# Altium PCB Graviton-RB1.PcbDoc (part 11 of 11)
Units mil, origin at the board's own origin, x right, y up, seen from the top; angles counter-clockwise.
Board outline 7874.02 x 7874.02 mil, 10 copper layers (Top Layer, Internal Plane 1, Signal Layer 1, Internal Plane 2, Signal Layer 2, Signal Layer 3, Internal Plane 3, Signal Layer 4, Internal Plane 4, Bottom Layer), stack 65.914 mil thick; 1299 components, 1517 nets, 7968 pads, 1791 vias.
Unrouted connection lines stored in the file: 4618.
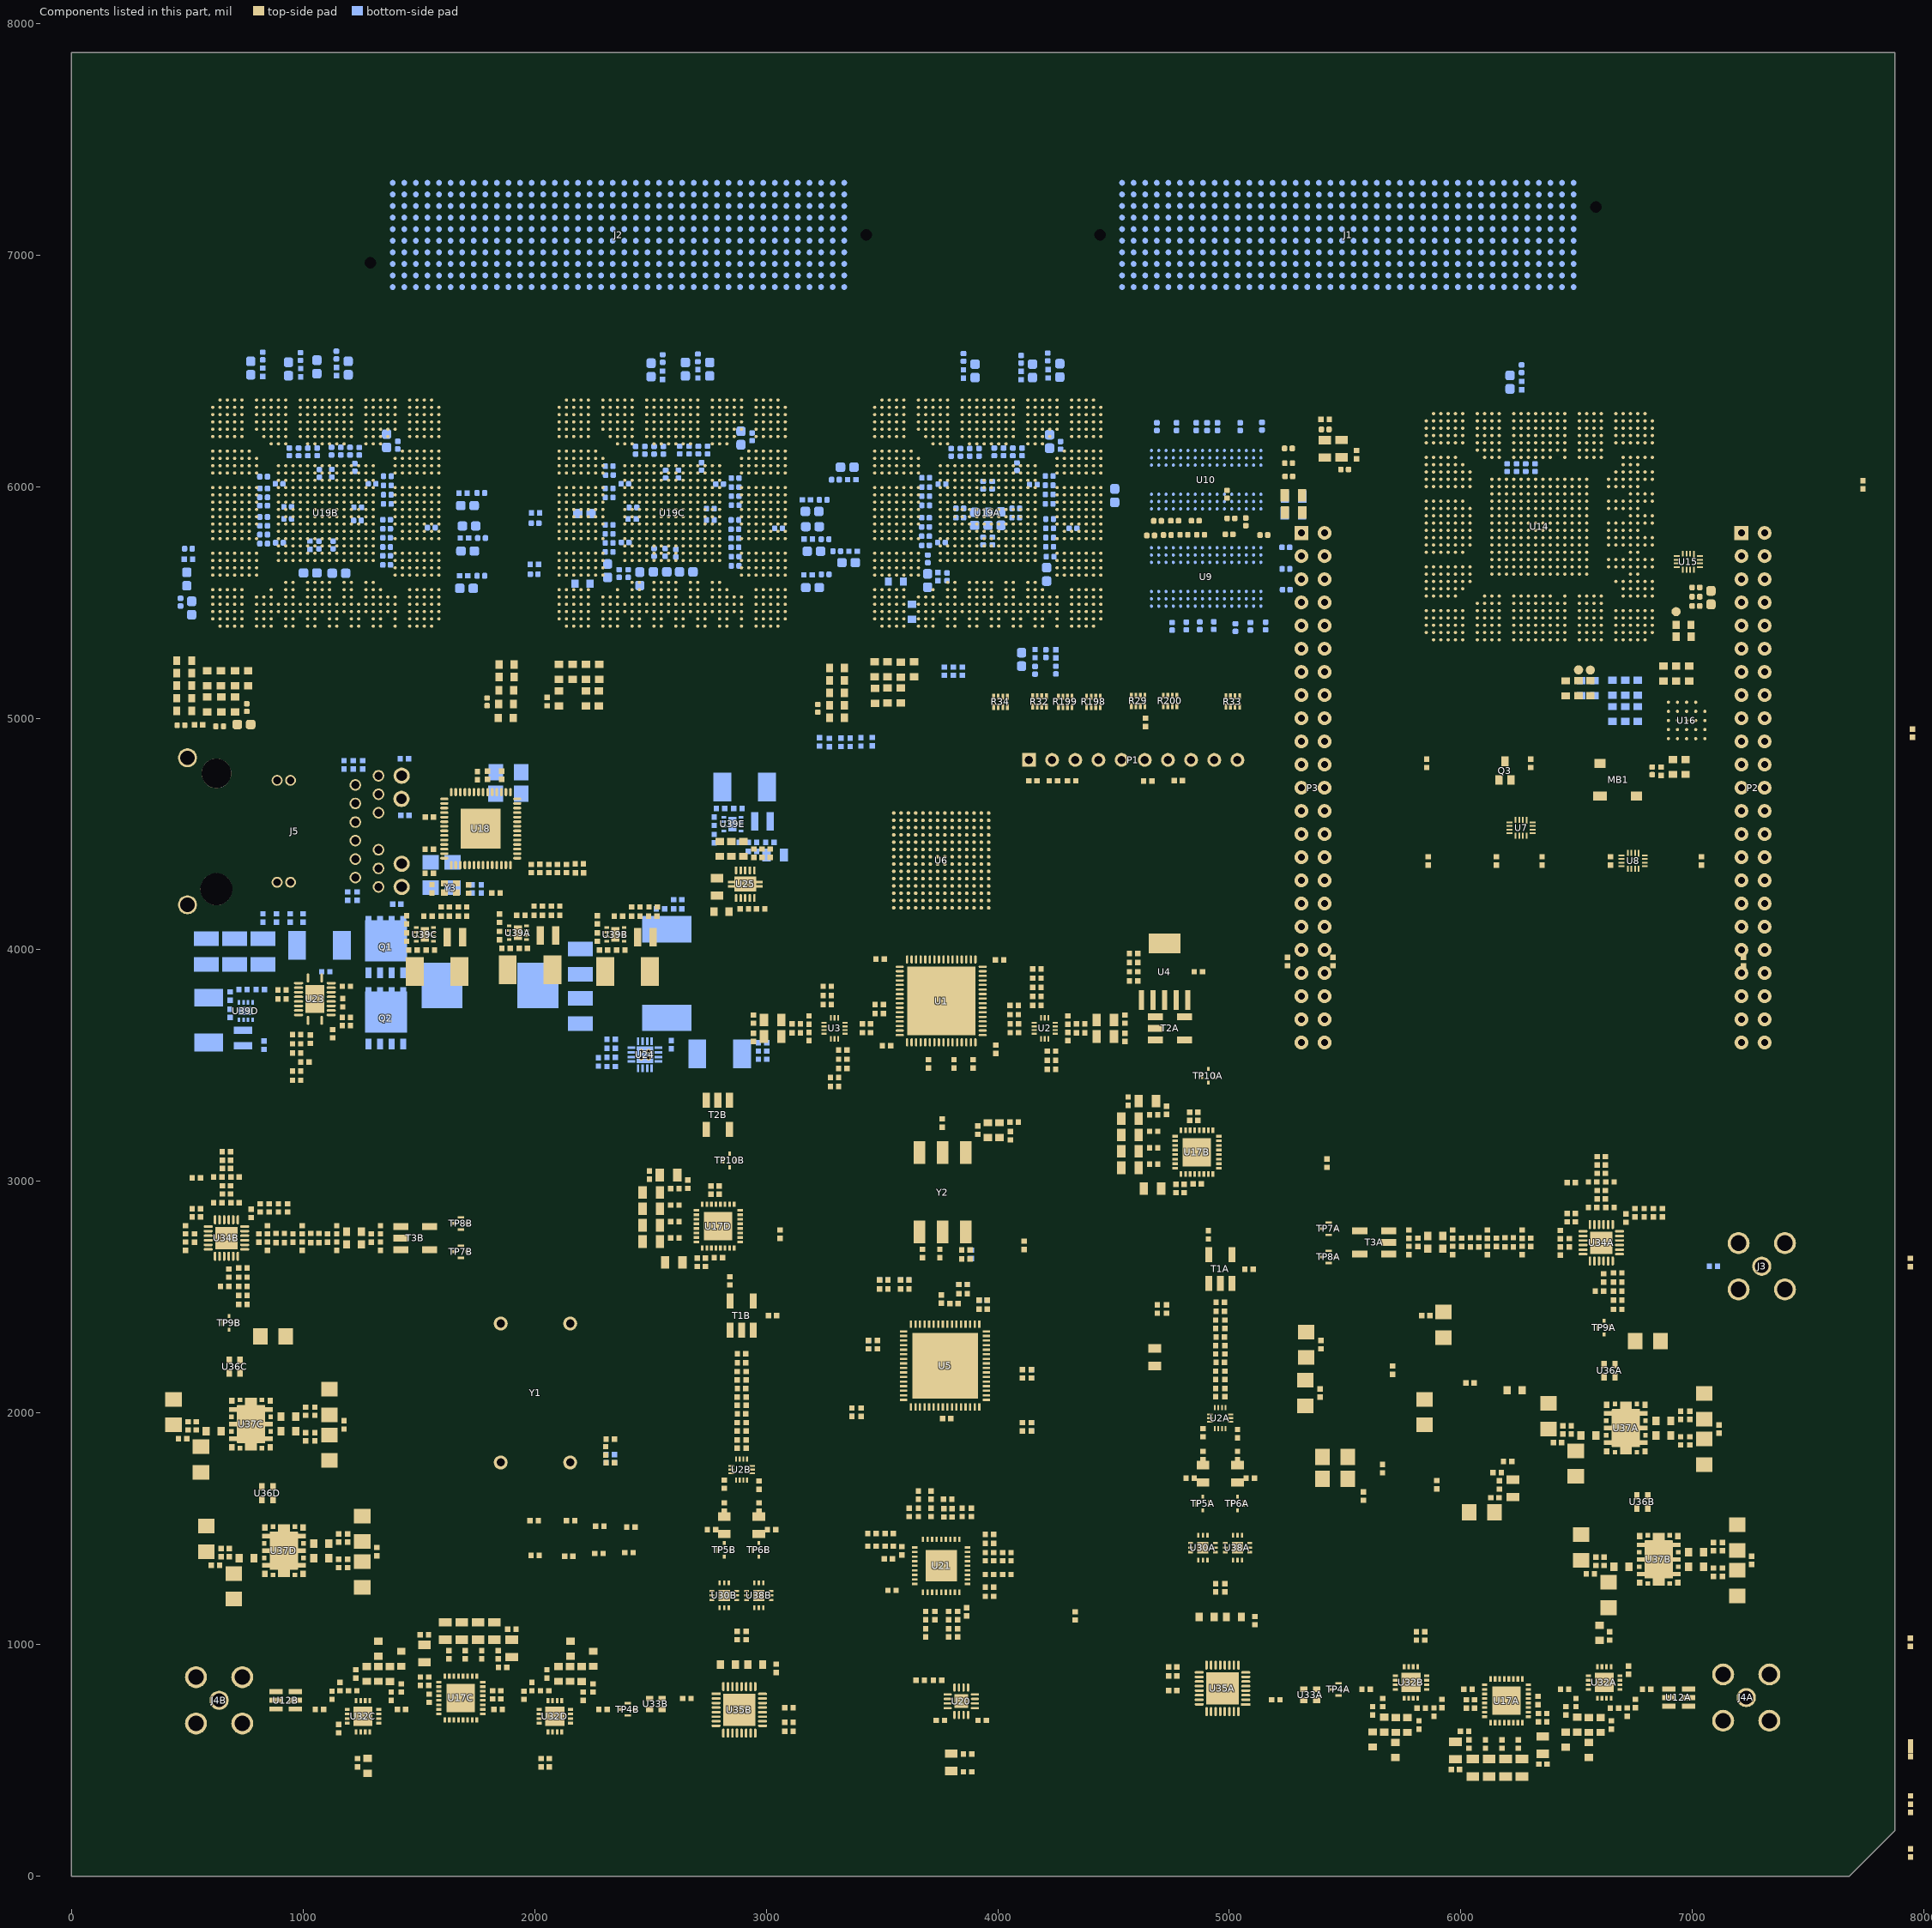
[diagram p19: the components of this part, seen from the top]

## Silkscreen, mask and mechanical layers (free items; w line width, h text height) (continued)
Bottom Solder:
  region: 0,0 7677.17,0 7775.59,98.43 7362.22,511.8 cw(c7086.61,787.4) 7086.61,397.64 787.4,397.64 cw(c787.4,787.4) 511.8,511.8
  region: 7874.02,7874.02 7874.02,196.85 7775.59,98.43 7362.22,511.8 ccw(c7086.61,787.4) 7476.38,787.4 7476.38,7086.61 ccw(c7086.61,7086.61) 7362.22,7362.22
  region: 7874.02,7874.02 7362.22,7362.22 ccw(c7086.61,7086.61) 7086.61,7476.38 787.4,7476.38 ccw(c787.4,7086.61) 511.8,7362.22 0,7874.02
  region: 0,7874.02 511.8,7362.22 ccw(c787.4,7086.61) 397.64,7086.61 397.64,787.4 ccw(c787.4,787.4) 511.8,511.8 0,0
Mechanical 1:
  lines w2.99: 35.43,12826.77 35.43,31374.02 22578.74,31374.02 22578.74,12826.77 35.43,12826.77
  lines w39.37: 393.7,1043.31 3342.52,1043.31 ; 393.7,3492.13 7476.38,3492.13 ; 393.7,4834.65 3102.36,4834.65 3106.3,4830.71 3106.3,3496.06 ; 3338.58,389.76 3338.58,1039.37 ; 4476.38,393.7 4476.38,1015.75 7480.32,1015.75
  text "DIGITAL COMPONENTS" at 173.23,13224.41 h120
  text "ROBBIE PLEASE PLACE THESE COMPONENTS" at 161.42,12944.88 h120
  text "DIGITAL" at 5629.92,3543.31 h60
  text "POWER" at 1771.65,3535.43 h60
  text "RF/ANALOG" at 5551.18,3381.89 h60
Mechanical 2:
  lines w10: 0,0 7677.17,0 7775.59,98.43 7874.02,196.85 7874.02,7874.02 0,7874.02 0,0 ; 7362.22,492.11 7362.22,492.11
Mechanical 16:
  drawing of 776 lines, arcs and shapes, not listed
  text "2" at 1818.54,8620.91 h70
  text "3" at 4563.54,8620.91 h70
  text "4" at 7314.55,8620.91 h70
  text "REV" at 10066.54,8405.91 h66.93
  text "DATE" at 10666.54,8405.91 h66.93
  text "DESC" at 11166.54,8405.91 h66.93
  text "ENG" at 13966.54,8405.91 h66.93
  text "1" at 10066.54,8205.91 h66.93
  text "*" at 10666.54,8205.91 h66.93
  text "INITIAL RELEASE" at 11166.54,8205.91 h66.93
  text "*" at 13966.54,8205.91 h66.93
  text "B" at 14606.3,7086.61 h70
  text "1" at -1255.13,6642.91 h70
  text "A" at -2208.46,5102.91 h70
  text "A" at 14591.54,5102.91 h70
  text "B" at -2208.46,2977.91 h70
  text "C" at -2208.46,852.91 h70
  text "C" at 14591.54,852.91 h70
  text "ENGINEER:" at 10066.54,-944.09 h45
  text "TITLE:" at 11566.54,-944.09 h45
  text "ALL DIMENSIONS ARE IN MM (INCHES)" at 7291.54,-1019.09 h47.24
  text "Brinton Engineering LLC" at 8716.54,-1019.09 h70
  text "*" at 10066.54,-1069.09 h70
  text "4 Avocet Drive 209" at 8716.54,-1119.09 h70
  text "TOLERANCES:" at 7726.54,-1184.09 h47.24
  text "Redwood City CA 94065" at 8716.54,-1219.09 h70
  text "*" at 11591.54,-1219.09 h86.61
  text "PCB DESIGNER:" at 10066.54,-1239.09 h45
  text "D" at -2208.46,-1267.09 h70
  text "D" at 14591.54,-1267.09 h70
  text "DECIMALS" at 7291.54,-1294.09 h47.24
  text "(858) 414 1421" at 8716.54,-1319.09 h70
  text "*" at 10066.54,-1369.09 h70
  text ".X     0.1" at 7291.54,-1419.09 h47.24
  text ".XX    0.05" at 7291.54,-1519.09 h47.24
  text "DATE:" at 10066.54,-1544.09 h45
  text "PART NO.:" at 11566.54,-1544.09 h45
  text "REV:" at 13666.54,-1544.09 h45
  text ".XXX   0.005" at 7291.54,-1619.09 h47.24
  text "*" at 10066.54,-1669.09 h66.93
  text "-" at 11566.54,-1669.09 h70
  text "1" at 13666.54,-1669.09 h70
  text "*UNLESS OTHERWISE NOTED" at 7266.54,-1844.09 h47.24
  text "FILE NAME:" at 10066.54,-1844.09 h45
  text "DWG NO:" at 11566.54,-1844.09 h45
  text "SCALE:" at 13666.54,-1844.09 h45
  text ".PCB_FILE_NAME_NO_PATH" at 10116.54,-1964.09 h70
  text "-" at 11566.54,-1969.09 h70
  text "1:1" at 13666.54,-1969.09 h70
  text "1" at -932.13,-2179.09 h70
  text "2" at 1818.54,-2179.09 h70
  text "3" at 4563.54,-2179.09 h70
  text "4" at 7314.55,-2179.09 h70
Drill Drawing:
  lines w4.92: 10620.87,4833.86 10670.87,4883.86 ; 10620.87,4933.86 10670.87,4983.86 ; 10670.87,4833.86 10720.87,4883.86 ; 10670.87,4933.86 10720.87,4983.86 ; 10720.87,4833.86 10770.87,4883.86 ; 10720.87,4933.86 10770.87,4983.86 ; 10770.87,4833.86 10820.87,4883.86 ; 10770.87,4933.86 10820.87,4983.86 ; 10820.87,4833.86 10870.87,4883.86 ; 10820.87,4933.86 10870.87,4983.86 ; 10870.87,4833.86 10920.87,4883.86 ; 10870.87,4933.86 10920.87,4983.86 ; 10920.87,4833.86 10970.87,4883.86 ; 10920.87,4933.86 10970.87,4983.86 ; 10970.87,4833.86 11020.87,4883.86 ; 10970.87,4933.86 11020.87,4983.86 ; 11020.87,4833.86 11070.87,4883.86 ; 11020.87,4933.86 11070.87,4983.86 ; 11070.87,4833.86 11120.87,4883.86 ; 11070.87,4933.86 11120.87,4983.86
  lines w10: 9470.87,4558.86 9470.87,5433.86 12170.87,5433.86 12170.87,4558.86 ; 9470.87,4758.86 12170.87,4758.86 ; 9470.87,4858.86 10570.87,4858.86 ; 9470.87,4958.86 10570.87,4958.86 ; 9470.87,5058.86 12170.87,5058.86 ; 9470.87,5158.86 12170.87,5158.86 ; 9470.87,5283.86 12170.87,5283.86 ; 9970.87,4558.86 9970.87,5433.86 ; 10630.87,5218.86 10640.87,5218.86 ; 10660.87,5198.86 10670.87,5198.86 ; 10670.87,4888.86 11070.87,4888.86 ; 10670.87,4898.86 11070.87,4898.86 ; 10670.87,4908.86 11070.87,4908.86 ; 10670.87,4913.86 11070.87,4913.86 ; 10670.87,4923.86 11070.87,4923.86 ; 10670.87,4933.86 10670.87,4883.86 ; 10690.87,5218.86 10700.87,5218.86 ; 10720.87,5198.86 10730.87,5198.86 ; 10750.87,5218.86 10760.87,5218.86 ; 10780.87,5198.86 10790.87,5198.86 ; 10810.87,5218.86 10820.87,5218.86 ; 10840.87,5198.86 10850.87,5198.86 ; 10870.87,5218.86 10880.87,5218.86 ; 10900.87,5198.86 10910.87,5198.86 ; 10930.87,5218.86 10940.87,5218.86 ; 10960.87,5198.86 10970.87,5198.86 ; 10990.87,5218.86 11000.87,5218.86 ; 11020.87,5198.86 11030.87,5198.86 ; 11050.87,5218.86 11060.87,5218.86 ; 11070.87,4933.86 11070.87,4883.86 ; 11080.87,5198.86 11090.87,5198.86 ; 11110.87,5218.86 11120.87,5218.86 ; 11220.87,4558.86 11220.87,5433.86 ; 11220.87,4858.86 12170.87,4858.86 ; 11220.87,4958.86 12170.87,4958.86 ; 10670.87,4883.86 10620.87,4883.86 10620.87,4833.86 11120.87,4833.86 11120.87,4883.86 11070.87,4883.86 ; 10670.87,4883.86 11070.87,4883.86 ; 10620.87,4933.86 11120.87,4933.86 11120.87,4983.86 10620.87,4983.86 10620.87,4933.86 ; 10620.87,5083.86 10620.87,5133.86 11120.87,5133.86 11120.87,5083.86 10620.87,5083.86 ; 10620.87,5183.86 10620.87,5233.86 11120.87,5233.86 11120.87,5183.86 10620.87,5183.86
  text "1. LEAD-FREE HASL" at 9529.63,6032.38 h45
  text "2. SOLDERMASK: GREEN" at 9529.63,5932.38 h45
  text "3. SILKSCREEN: WHITE" at 9520.87,5846.46 h45
  text "4. NO BOTTOM SOLDERMASK" at 9520.87,5746.46 h45
  text "LAYER" at 9520.87,5333.86 h45
  text "FINISH" at 11270.87,5333.86 h45
  text "SILK SCREEN" at 10020.87,5183.86 h45
  text "SOLDER MASK" at 10020.87,5083.86 h45
  text "1 (TOP) S" at 9520.87,4983.86 h45
  text "COPPER (1oz.)" at 10020.87,4983.86 h45
  text "0.036 (0.0014)" at 11245.87,4983.86 h45
  text "PHENOLIC (FR-4)" at 10020.87,4883.86 h45
  text "1.57 (0.062)" at 11245.87,4883.86 h45
  text "2 (BOT) S" at 9520.87,4783.86 h45
  text "COPPER (1oz.)" at 10020.87,4783.86 h45
  text "0.036 (0.0014)" at 11245.87,4783.86 h45
  text ".Legend" at -1633.46,-869.09 h47.24

## Text inside footprints (layer, text, board x,y; h text height)
MB1: Top Overlay "1" at 6714.54,4651.67 h30